# Altium PCB C210_220601.PcbDoc (part 1 of 7)
Units mm, origin at the board's own origin, x right, y up, seen from the top; angles counter-clockwise.
Board outline 68 x 129.5 mm, 6 copper layers (L1, L2, L3, L4, L5, L6), stack 1.64 mm thick; 493 components, 295 nets, 1739 pads, 1829 vias.
Unrouted connection lines stored in the file: 306.
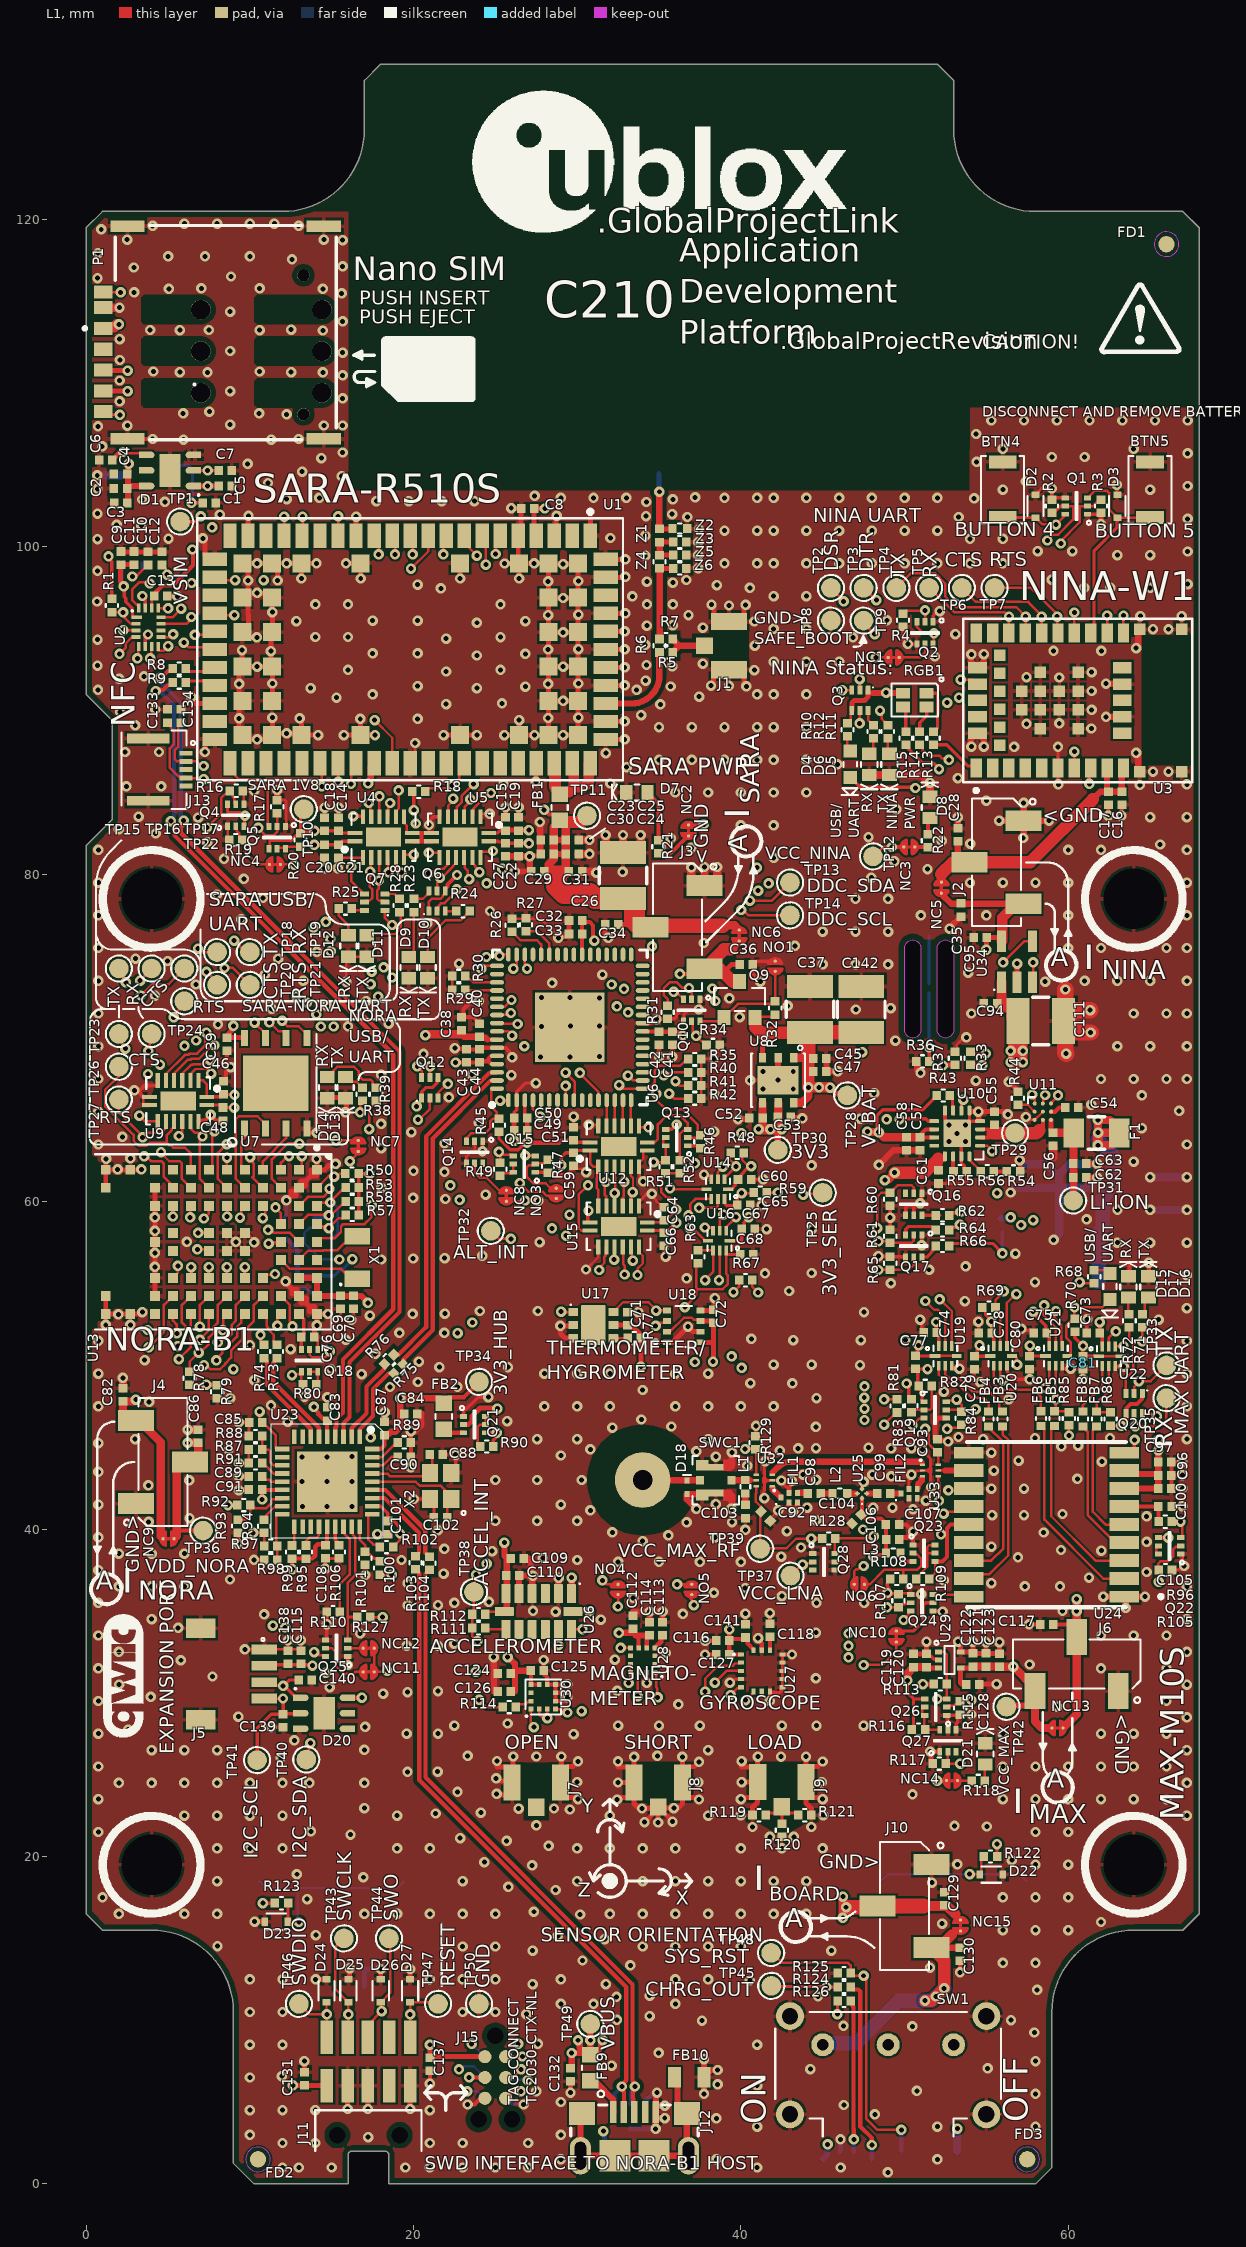
[diagram p0: L1 view]
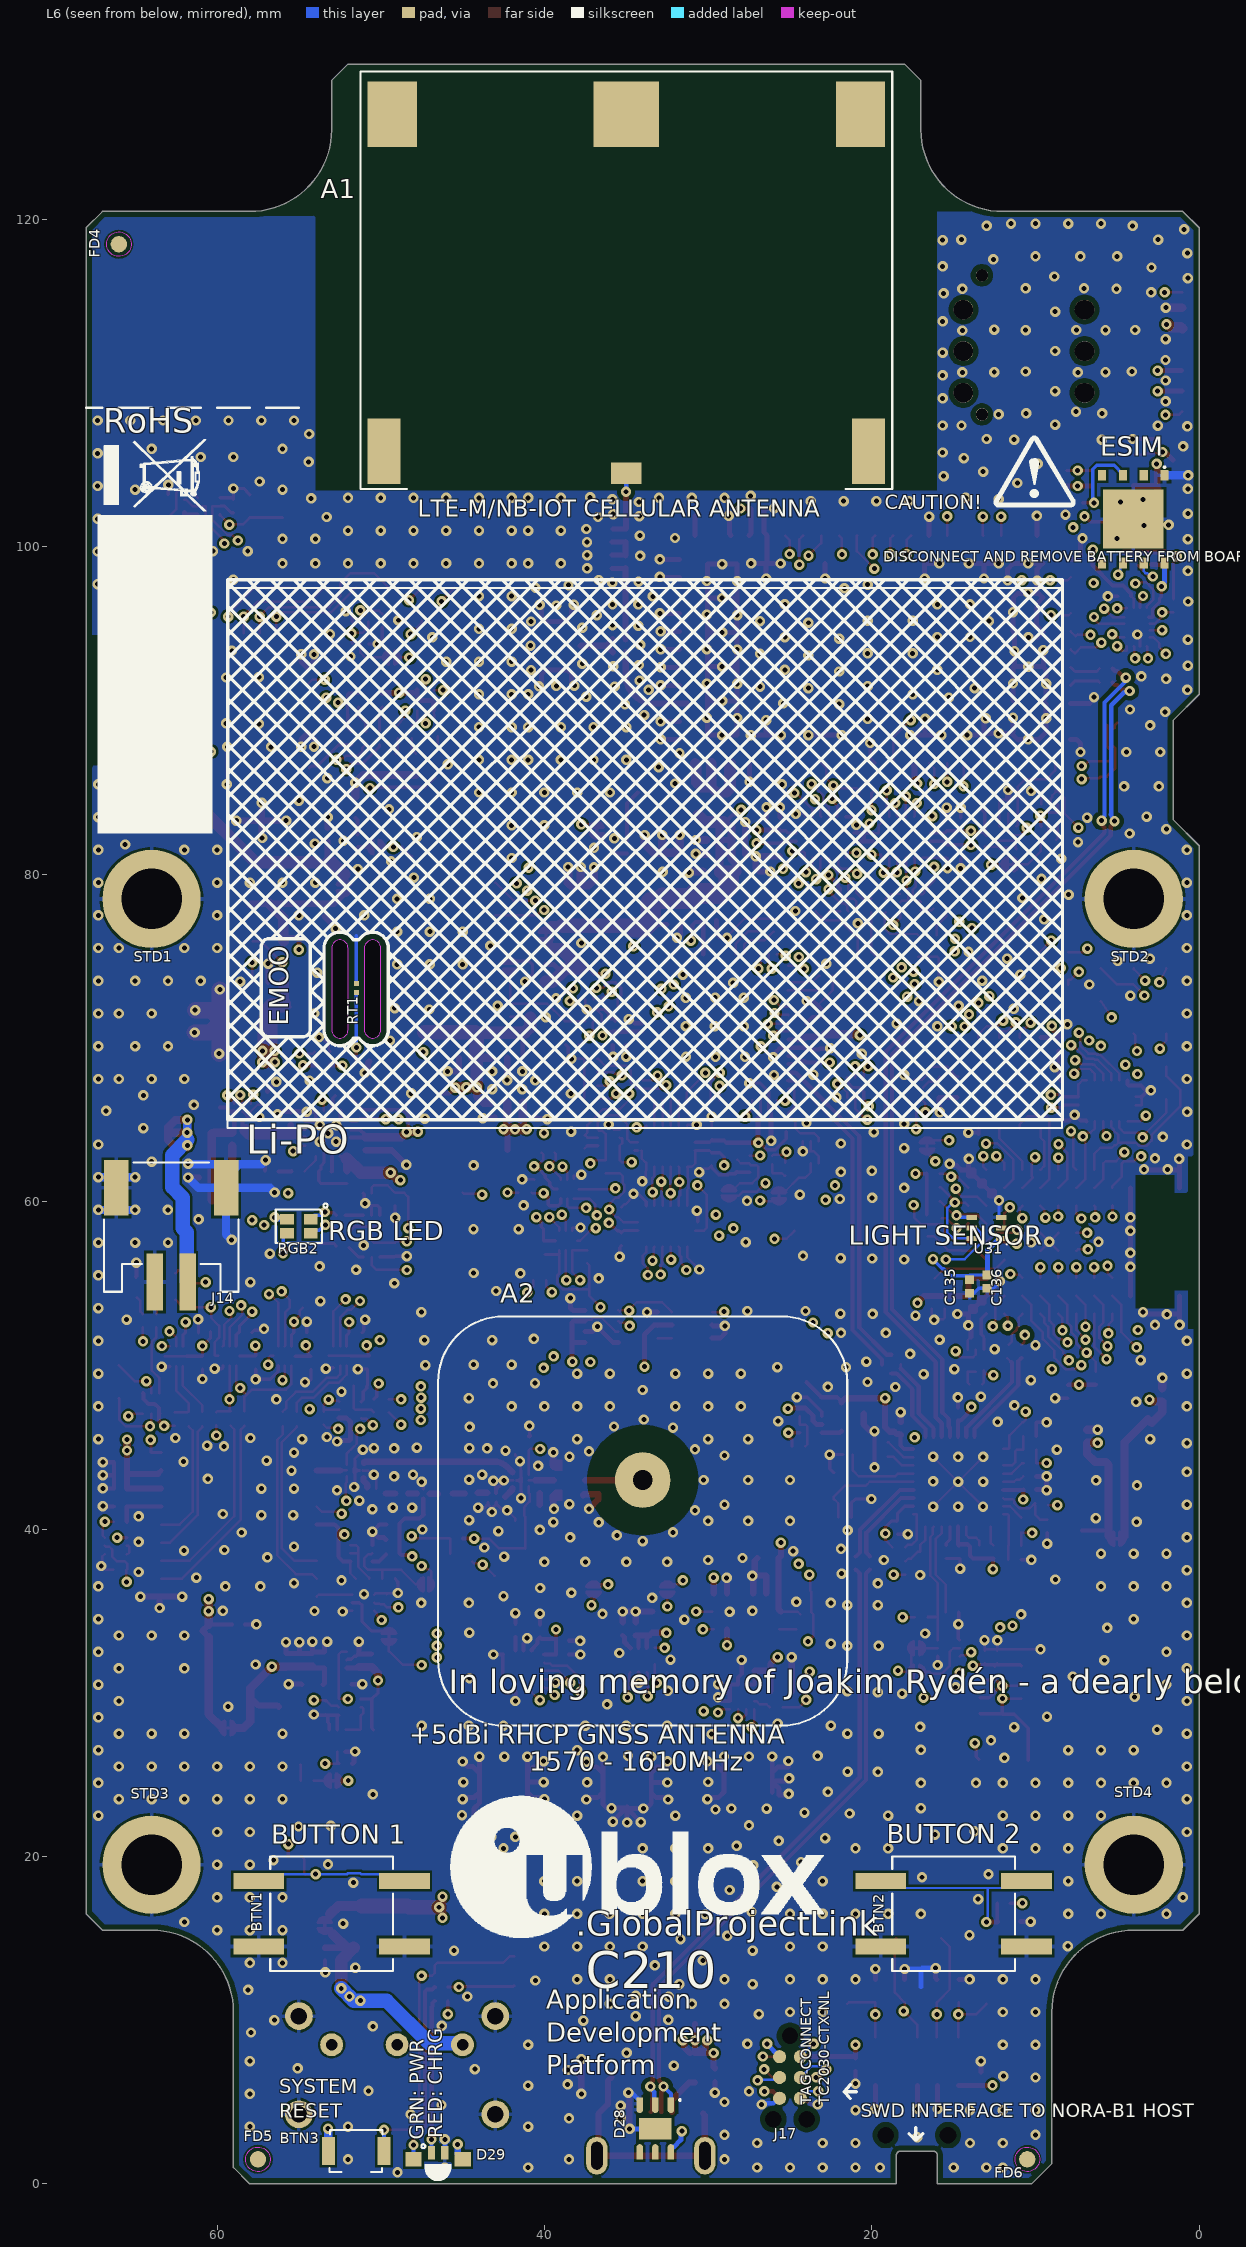
[diagram p1: L6 view, seen from below]
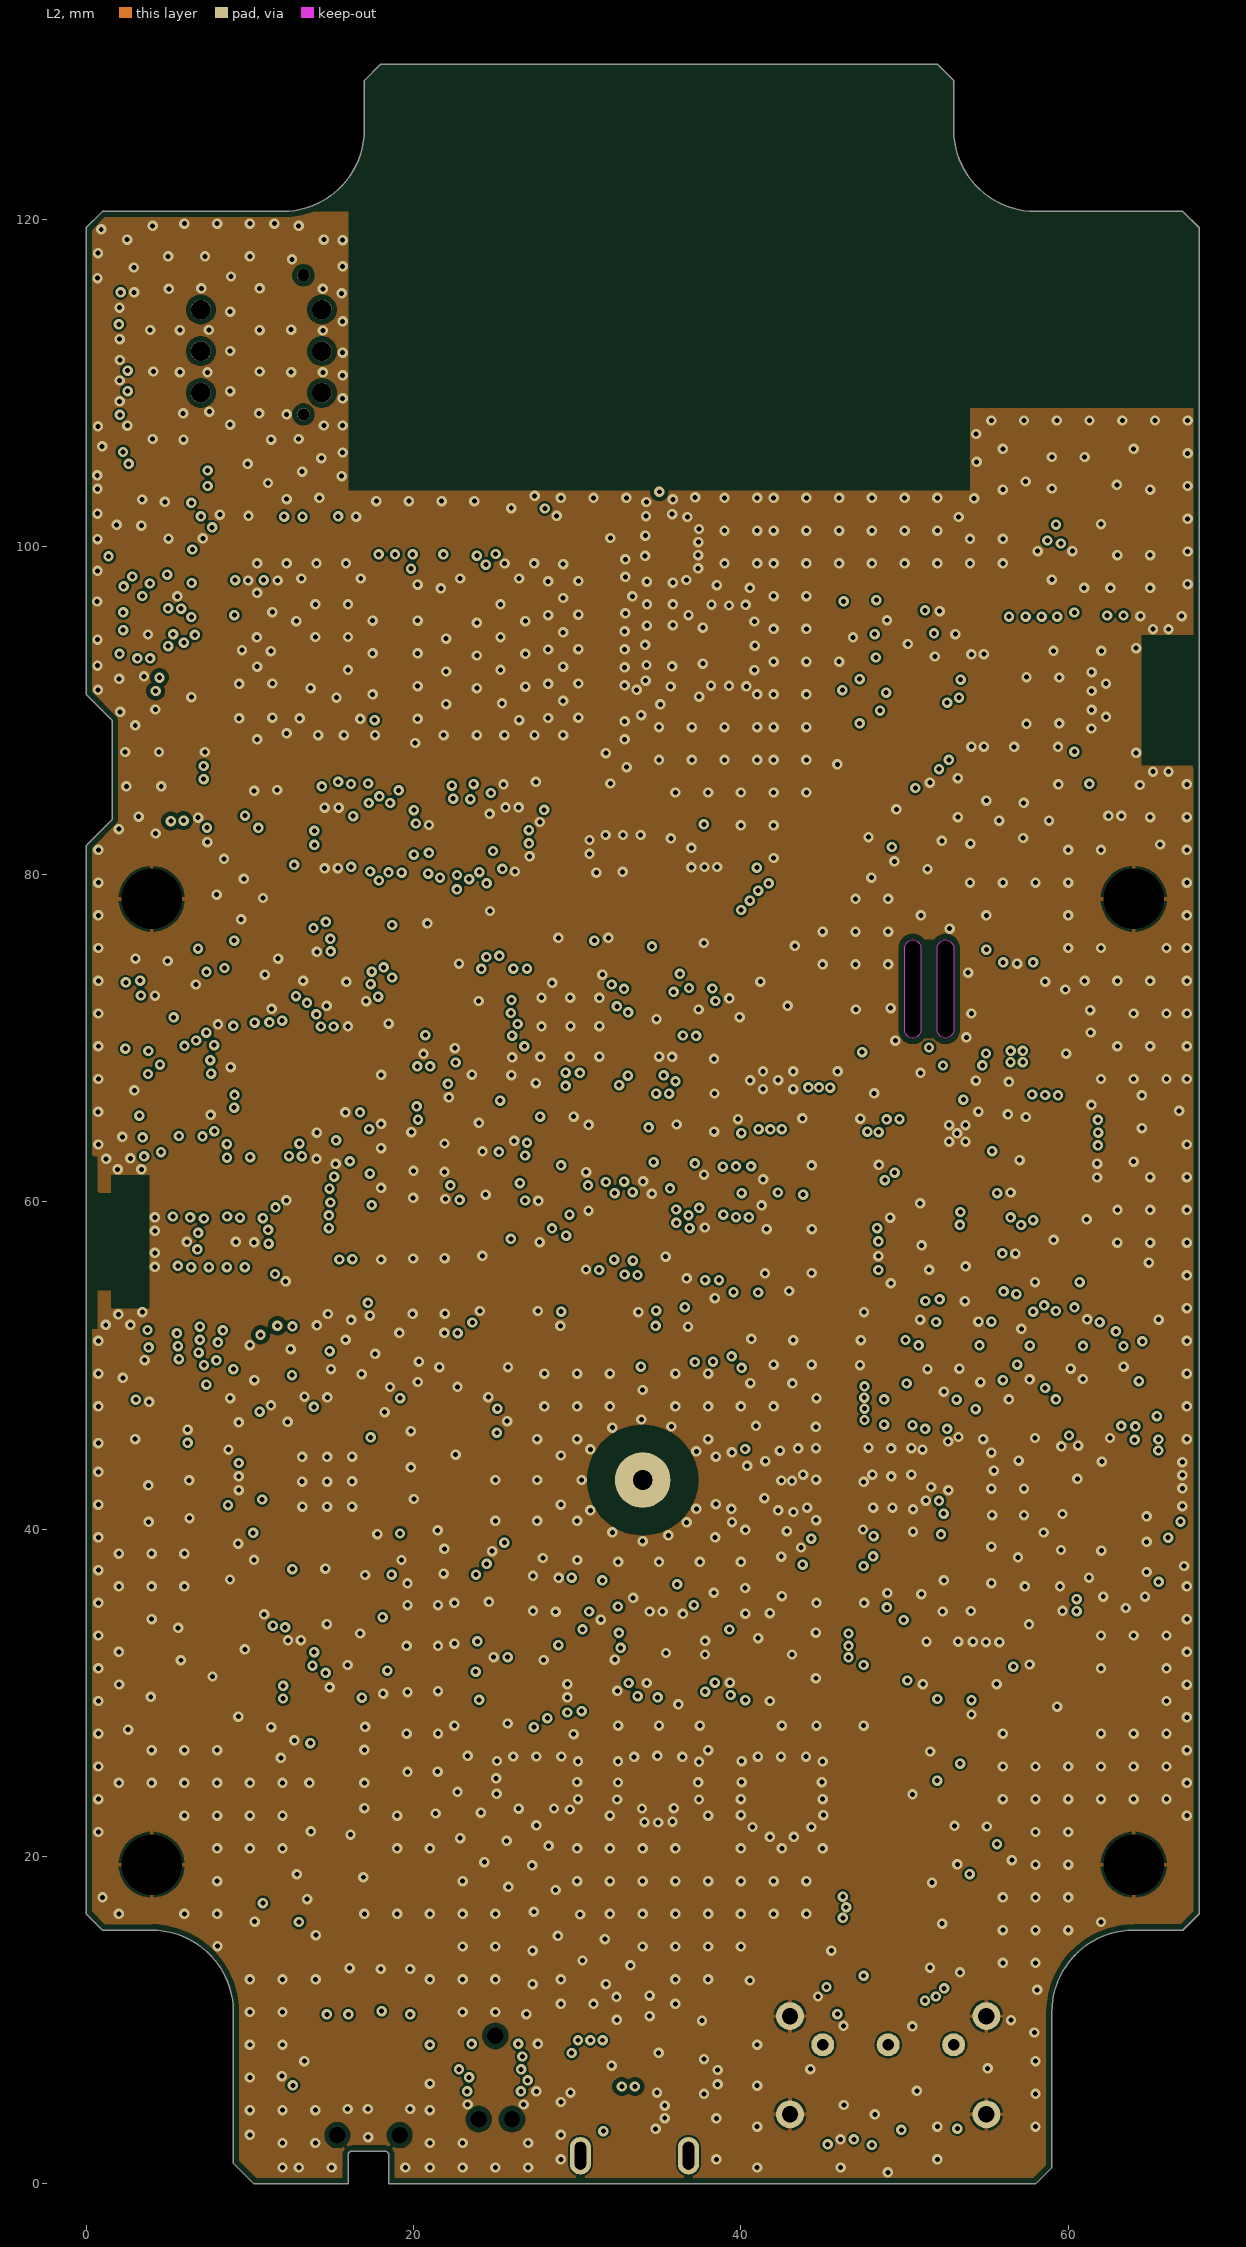
[diagram p2: L2]
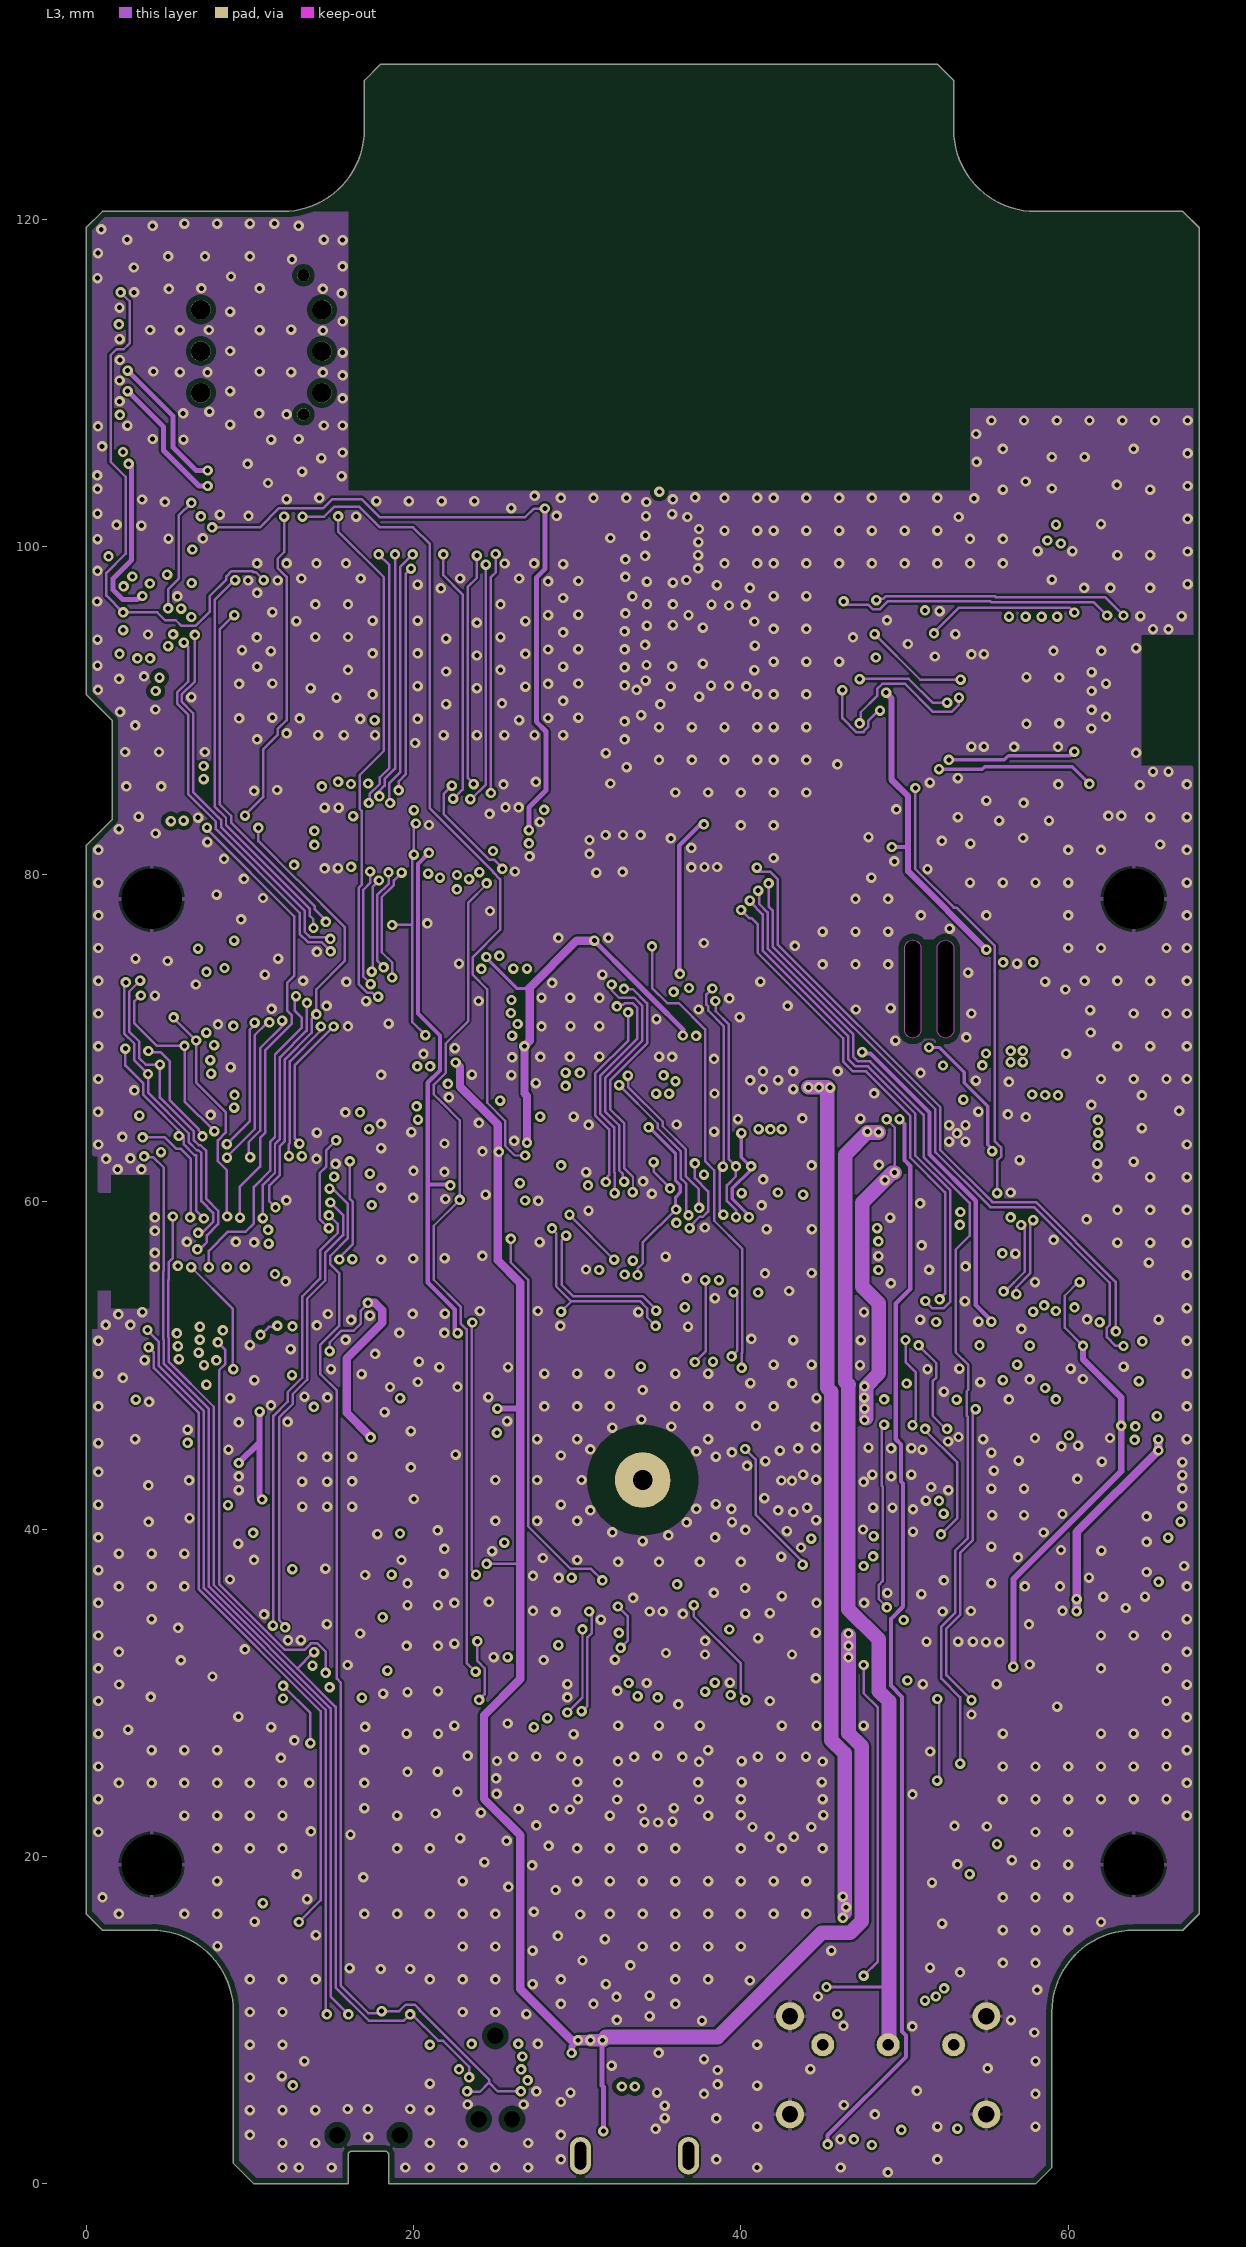
[diagram p3: L3]